# KiCad board smps_legged_robot.kicad_pcb
title: ${BOARD_NAME} Assembly; date: Last Modified Date; rev: ${REVISION}; company: ${COMPANY}
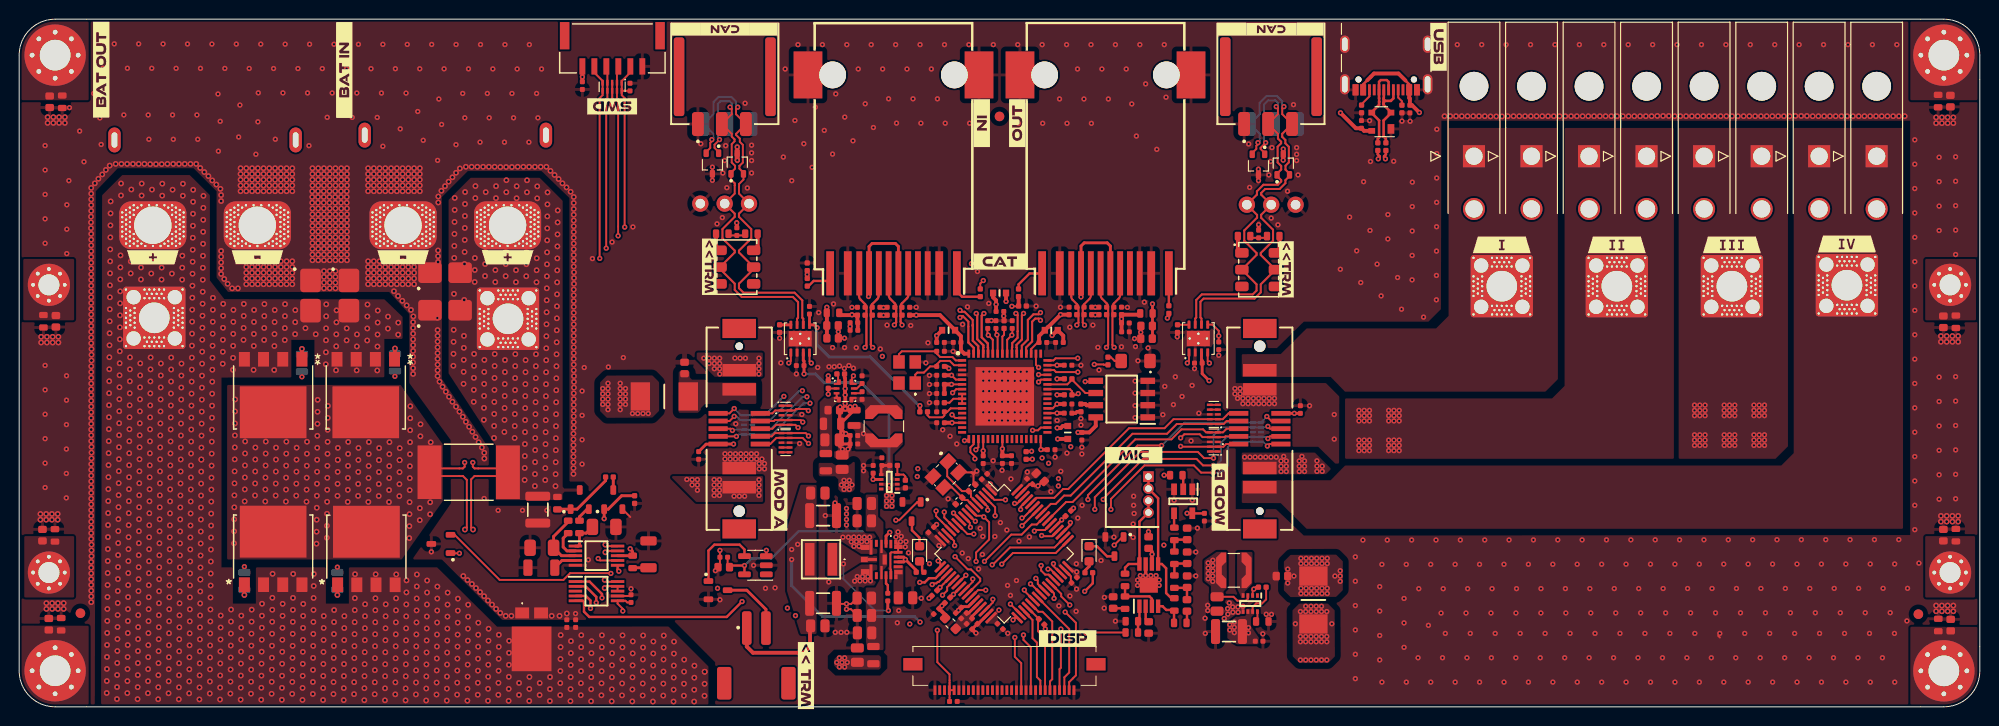
[diagram p0: board, top side]
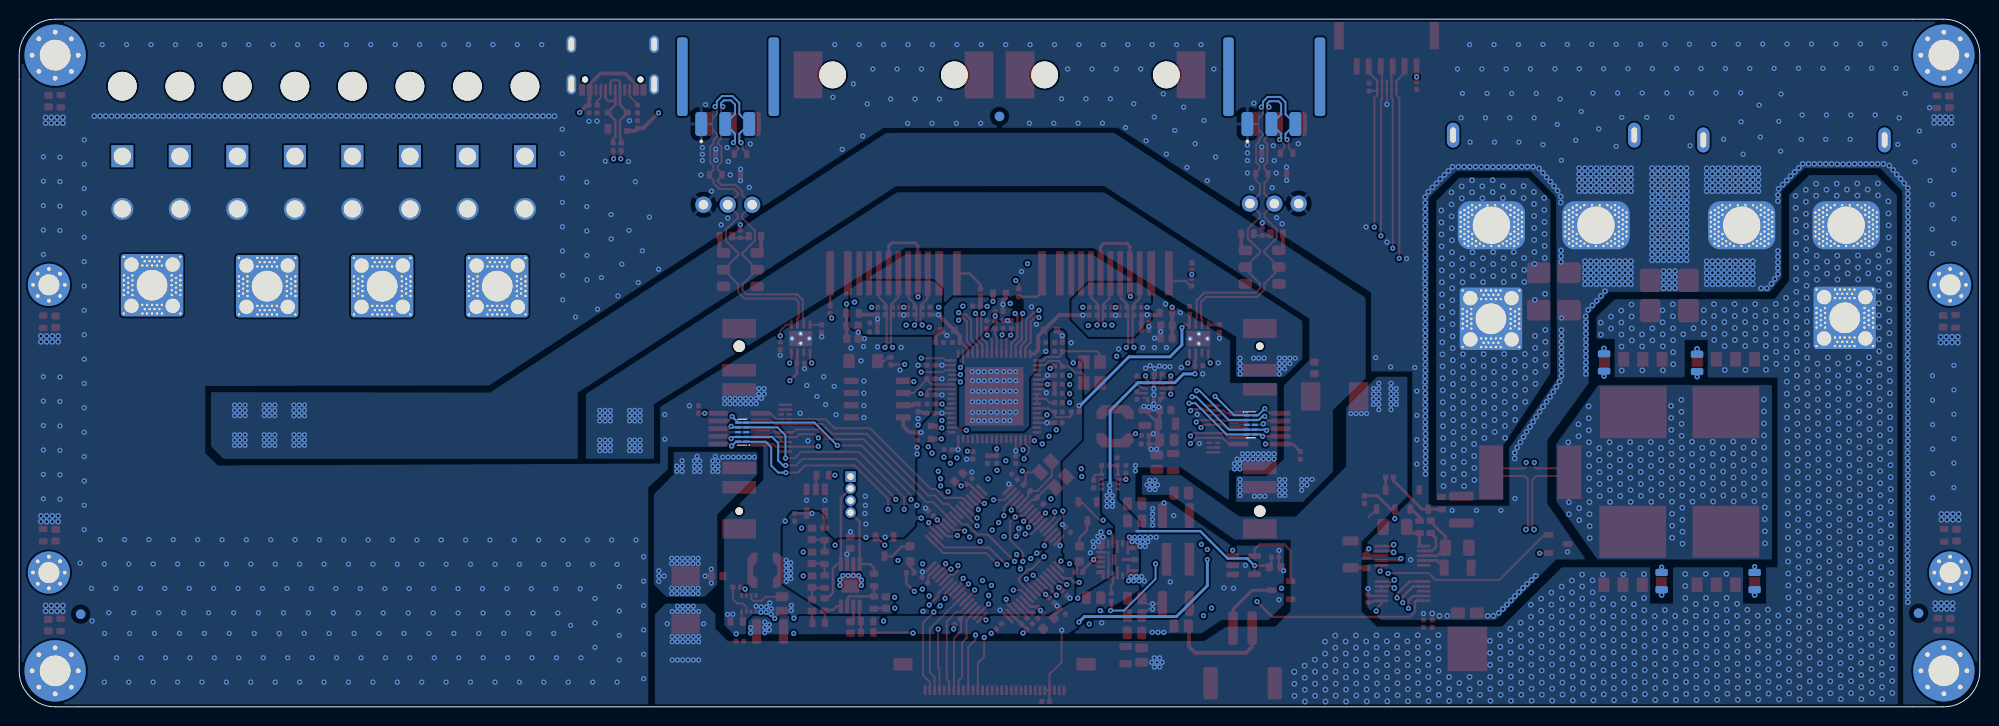
[diagram p1: board, bottom side, seen from below]

Outline 204.5 x 71.7 mm; copper layers: L1 (Sig, PWR), L2 (GND), L3 (Sig, PWR), L4 (Sig, PWR), L5 (GND), L6 (Sig, PWR). Coordinates in mm from the lower left corner of the outline.
Outline path: 0,67.95 0,3.75 arc(1.1,1.1) 3.75,0 200.75,0 arc(203.4,1.1) 204.5,3.75 204.5,65.4 204.5,67.95 arc(203.4,70.6) 200.75,71.7 3.75,71.7 arc(1.1,70.6) 0,67.95
Stack: L1 (Sig, PWR) 0.07mm / dielectric 0.18mm FR4_7628 er 4.29 / L2 (GND) 0.035mm / dielectric 0.4mm FR4 er 4.6 / L3 (Sig, PWR) 0.035mm / dielectric 0.18mm FR4_7628 er 4.29 / L4 (Sig, PWR) 0.035mm / dielectric 0.4mm FR4 er 4.6 / L5 (GND) 0.035mm / dielectric 0.18mm FR4_7628 er 4.29 / L6 (Sig, PWR) 0.07mm

## Placement (name value [footprint] x y rotation side)
C401  12p NP0 25V  [C_0402_1005Metric]  99.38 22.83 45 top
C402  12p NP0 25V  [C_0402_1005Metric]  98.02 21.47 225 top
C403  100n X7R 50V  [C_0402_1005_DensityHigh]  140 60.73 90 top
C404  100n X7R 50V  [C_0402_1005_DensityHigh]  58.74 64.77 270 top
C405  100n X7R 50V  [C_0402_1005_DensityHigh]  63.71 64.62 90 top
C406  1u X7R 10V  [C_0402_1005_DensityHigh]  102.31 8.39 315 top
C407  100n X7R 50V  [C_0402_1005_DensityHigh]  110.04 13.21 225 top
C408  100n X7R 50V  [C_0402_1005_DensityHigh]  95.12 18.46 45 top
C409  100n X7R 50V  [C_0402_1005_DensityHigh]  100.69 24.01 45 top
C410  100n X7R 50V  [C_0402_1005_DensityHigh]  105.4 23.5 315 top
C411  4u7 X7R 16V  [C_0603_1608_DensityHigh]  106.49 23.93 315 top
C412  1u X7R 10V  [C_0402_1005_DensityHigh]  95.67 9.95 225 top
C413  1u X7R 10V  [C_0402_1005_DensityHigh]  97.97 9.5 135 top
C414  100n X7R 50V  [C_0402_1005_DensityHigh]  98.53 10.06 135 top
C415  1u X7R 10V  [C_0402_1005_DensityHigh]  99.1 8.37 315 top
C416  100n X7R 50V  [C_0402_1005_DensityHigh]  99.66 8.94 315 top
C417  100n X7R 50V  [C_0402_1005_DensityHigh]  145.05 62.33 270 top
C801  2u2 X7R 100V  [C_0805_2012_DensityHigh]  88.16 9.53 180 top
C802  100n X7R 100V  [C_0805_2012_DensityHigh]  88.15 11.34 180 top
C803  10u X7R 25V  [C_1210_3225_DensityHigh]  83.85 19.94 180 top
C804  2.2u X7R 25V  [C_0805_2012_DensityHigh]  83.3 8.44 180 top
C805  2.2u X7R 25V  [C_0805_2012_DensityHigh]  83.3 22.29 180 top
C806  4.7uF X7R 25V  [C_1210_3225_DensityHigh]  126.19 7.85 0 top
C807  22u X7R 10V  [C_0805_2012_DensityHigh]  124.94 10.72 270 top
C808  100n X7R 50V  [C_0402_1005_DensityHigh]  89.07 24.77 90 top
C809  100n X7R 50V  [C_0402_1005_DensityHigh]  89.98 25.56 90 top
C810  2u2 X7R 100V  [C_0805_2012_DensityHigh]  85.84 25.51 90 top
C811  2u2 X7R 100V  [C_0805_2012_DensityHigh]  84.79 27.83 0 top
C812  2u2 X7R 100V  [R_0805_2012_DensityHigh]  84.79 29.51 0 top
C813  100n X7R 100V  [C_0603_1608_DensityHigh]  84.97 30.94 0 top
C814  1u X7R 10V  [C_0402_1005_DensityHigh]  87.92 34.11 90 top
C815  100n X7R 50V  [C_0402_1005_DensityHigh]  87.92 32.46 90 top
C816  100n X7R 50V  [C_0402_1005_DensityHigh]  87.06 28.28 180 top
C817  22u X7R 10V  [C_0805_2012_DensityHighest]  87.09 30.14 90 top
C818  1u X7R 10V  [C_0402_1005_DensityHigh]  87.06 27.41 180 top
C820  1u X7R 10V  [C_0402_1005_DensityHigh]  129.33 6.84 0 top
C901  100n X7R 50V  [C_0402_1005_DensityHigh]  133.63 31 90 top
C1001  100n X7R 50V  [C_0402_1005_DensityHigh]  70.87 26.21 270 top
C1101  100n X7R 50V  [C_0402_1005_DensityHigh]  82.43 41.35 90 top
C1102  100n X7R 50V  [C_0402_1005_DensityHigh]  125.12 37.64 270 top
C1103  1u X7R 100V  [C_0402_1005_DensityHigh]  57.12 8.68 90 top
C1104  100n X7R 50V  [C_0402_1005_DensityHigh]  81.46 35.58 180 top
C1105  100n X7R 50V  [C_0402_1005_DensityHigh]  122.99 35.84 180 top
C1109  100n X7R 50V  [C_0402_1005_DensityHigh]  109.4 35.62 0 top
C1110  100n X7R 50V  [C_0402_1005_DensityHigh]  96.1 34.57 180 top
C1111  1u X7R 50V  [C_0402_1005_DensityHigh]  96.1 32.67 180 top
C1112  100n X7R 50V  [C_0402_1005_DensityHigh]  101.03 39.86 270 top
C1113  100n X7R 50V  [C_0402_1005_DensityHigh]  96.1 30.76 180 top
C1114  220p X7R 50V  [C_0402_1005_DensityHigh]  96.1 33.62 180 top
C1115  100n X7R 50V  [C_0402_1005_DensityHigh]  103.58 39.86 270 top
C1116  100n X7R 50V  [C_0402_1005_DensityHigh]  96.1 29.62 180 top
C1117  100n X7R 50V  [C_0402_1005_DensityHigh]  102.3 41.22 0 top
C1118  100n X7R 50V  [C_0402_1005_DensityHigh]  108.5 37.99 180 top
C1119  100n X7R 50V  [C_0402_1005_DensityHigh]  96.1 37.99 0 top
C1120  100n X7R 50V  [C_0402_1005_DensityHigh]  109.4 31.57 0 top
C1121  100n X7R 50V  [C_0402_1005_DensityHigh]  109.4 30.62 0 top
C1122  100n X7R 50V  [C_0402_1005_DensityHigh]  103.5 25.78 270 top
C1123  100n X7R 50V  [C_0402_1005_DensityHigh]  107.64 26.81 0 top
C1124  100n X7R 50V  [C_0402_1005_DensityHigh]  102.55 25.78 270 top
C1125  100n X7R 50V  [C_0402_1005_DensityHigh]  101.88 39.86 90 top
C1126  100n X7R 50V  [C_0402_1005_DensityHigh]  106.78 37.99 0 top
C1127  100n X7R 50V  [C_0402_1005_DensityHigh]  97.83 38 180 top
C1128  100n X7R 50V  [C_0402_1005_DensityHigh]  100.55 25.77 270 top
C1129  15p X7R 50V  [C_0402_1005_DensityHigh]  109.91 41.67 180 top
C1130  15p X7R 50V  [C_0402_1005_DensityHigh]  87.83 41.66 180 top
C1131  15p X7R 50V  [C_0402_1005_DensityHigh]  111.47 41.67 0 top
C1132  15p X7R 50V  [C_0402_1005_DensityHigh]  89.38 41.66 0 top
C1133  18p NP0 50V  [C_0402_1005_DensityHigh]  96.1 35.5 0 top
C1134  15p X7R 50V  [C_0402_1005_DensityHigh]  113.02 41.67 180 top
C1135  15p X7R 50V  [C_0402_1005_DensityHigh]  90.93 41.66 180 top
C1136  18p NP0 50V  [C_0402_1005_DensityHigh]  96.1 37.07 0 top
C1137  15p X7R 50V  [C_0402_1005_DensityHigh]  114.58 41.67 0 top
C1138  15p X7R 50V  [C_0402_1005_DensityHigh]  92.48 41.66 0 top
C1139  100n X7R 50V  [C_0402_1005_DensityHigh]  87.07 40.05 180 top
C1140  100n X7R 50V  [C_0402_1005_DensityHigh]  115.38 40.02 0 top
C1141  22n X7R 50V  [C_0603_1608_DensityHigh]  117.59 38.39 180 top
C1142  22n X7R 50V  [C_0603_1608_DensityHigh]  84.84 38.43 0 top
C1143  22n X7R 50V  [C_0603_1608_DensityHigh]  117.59 39.71 180 top
C1144  22n X7R 50V  [C_0603_1608_DensityHigh]  84.84 39.76 0 top
C1145  100n X7R 50V  [C_0402_1005_DensityHigh]  87.07 39.26 180 top
C1146  100n X7R 50V  [C_0402_1005_DensityHigh]  115.39 39.1 0 top
C1147  100n X7R 50V  [C_0402_1005_DensityHigh]  110.84 28.21 270 top
C1149  4n7 X7R 100V  [C_0402_1005_DensityHigh]  129.28 49.3 90 top
C1150  4n7 X7R 100V  [C_0402_1005_DensityHigh]  74.85 49.55 90 top
C1201  2u2 X7R 100V  [C_0805_2012_DensityHigh]  87.42 5.39 90 top
C1202  2u2 X7R 100V  [C_0805_2012_DensityHigh]  88.18 7.71 180 top
C1203  2u2 X7R 100V  [C_0805_2012_DensityHigh]  88.15 21.2 180 top
C1204  100n X7R 100V  [C_0805_2012_DensityHigh]  88.15 19.39 180 top
C1205  2.2u X7R 25V  [C_0805_2012_DensityHigh]  92.45 11.36 0 top
C1206  100n X7R 50V  [C_0402_1005_DensityHigh]  90.6 11.44 270 top
C1207  10u X7R 25V  [C_1210_3225_DensityHigh]  83.85 10.79 180 top
C1302  100n X7R 100V  [C_0603_1608_DensityHigh]  131.71 13.63 180 top
C1401  100n X7R 100V  [C_0603_1608_DensityHigh]  69.4 35.33 90 top
C1501  10uF X7R 100V  [C_1210_3225_DensityHigh]  54.09 20.56 270 top
C1502  2nF X7R 50V  [C_1206_3216_DensityHigh]  54.46 14.51 180 top
C1503  110n X7R 100V  [C_1206_3216_DensityHigh]  65.64 15.9 90 top
C1504  1u X7R 100V  [C_0402_1005_DensityHigh]  58.04 8.68 90 top
C1701  100n X7R 50V  [C_0402_1005_DensityHigh]  123.62 19.77 270 top
C1702  4.7n X7R 50V  [C_0603_1608_DensityHigh]  121.82 18.03 90 top
C1703  4.7n X7R 50V  [C_0603_1608_DensityHigh]  121.82 15.54 90 top
C1704  4.7n X7R 50V  [C_0603_1608_DensityHigh]  121.82 13.05 90 top
C1705  470n X5R 16V  [C_0603_1608_DensityHigh]  114.11 10.88 90 top
C1706  470n X5R 16V  [C_0603_1608_DensityHigh]  121.81 10.58 270 top
C1707  220n X7R 10V  [C_0603_1608_DensityHigh]  117.81 8.28 270 top
C1708  1u X7R 16V  [C_0603_1608_DensityHigh]  117.81 17.12 90 top
C1709  100n X7R 50V  [C_0402_1005_DensityHigh]  97.44 0.56 0 top
C1801  100n X7R 50V  [C_0402_1005_DensityHigh]  73.49 15.6 180 top
C1802  4.7u X7R 16V  [C_0603_1608_DensityHigh]  73.49 14.56 180 top
C2001  100n X7R 50V  [C_0402_1005_DensityHigh]  63.82 11.28 90 top
C2102  1n X7R 1kV  [C_0603_1608_DensityHigh]  200.7 40.15 270 top
C2103  1n X7R 1kV  [C_0603_1608_DensityHigh]  2.43 17.9 90 top
C2104  1n X7R 1kV  [C_0603_1608_DensityHigh]  200.7 17.9 90 top
C2105  1n X7R 1kV  [C_0603_1608_DensityHigh]  3.83 40.2 270 top
C2201  1n X7R 1kV  [C_0603_1608_DensityHigh]  3.18 63.09 270 top
C2202  1n X7R 1kV  [C_0603_1608_DensityHigh]  3.09 8.61 90 top
C2203  1n X7R 1kV  [C_0603_1608_DensityHigh]  201.46 8.52 90 top
C2204  1n X7R 1kV  [C_0603_1608_DensityHigh]  201.43 63.16 270 top
D401  PRTR5V0U2X  [SOT-143]  142.08 61.01 180 top
D402  PESD4USB3U-TBSX  [SOT1176D]  61.85 64.65 270 top
D501  SMBJ51CD-M3/H  [DIOM4336X24N]  44.42 41.35 0 top
D502  SMBJ51CD-M3/H  [DIOM4336X24N]  44.42 45.27 0 top
D503  SMBJ51CD-M3/H  [DIOM4336X24N]  34.39 42.89 270 top
D504  SMBJ51CD-M3/H  [DIOM4336X24N]  30.39 42.89 270 top
D801  GREEN  [LED_0603_1608Metric]  93.92 15.96 270 top
D802  GREEN  [LED_0603_1608Metric]  111.59 15.96 270 top
D901  PESD4USB3U-TBSX  [SOT1176D]  124.61 30.49 180 top
D902  PESD4USB3U-TBSX  [SOT1176D]  129.09 28.64 0 bottom
D903  PESD4USB3U-TBSX  [SOT1176D]  124.61 27.62 180 top
D1001  PESD4USB3U-TBSX  [SOT1176D]  79.94 27.54 0 top
D1002  PESD4USB3U-TBSX  [SOT1176D]  76.04 29.4 180 bottom
D1003  PESD4USB3U-TBSX  [SOT1176D]  79.94 30.4 0 top
D1101  FSV10150V  [FES10D]  53.45 7.04 90 top
D1102  PESD2CANFD24V-UX  [SOT95P230X117-3N]  131.85 56.54 90 top
D1103  PESD2CANFD24V-UX  [SOT95P230X117-3N]  129.26 56.54 270 top
D1104  PESD2CANFD24V-UX  [SOT95P230X117-3N]  72.3 56.65 270 top
D1105  PESD2CANFD24V-UX  [SOT95P230X117-3N]  74.89 56.65 90 top
D1107  ORANGE  [LED_SM1206]  116.45 36.06 180 top
F1301  0451015.MRL  [FUSC6127X294N]  134.99 11.14 90 top
F1401  0451015.MRL  [FUSC6127X294N]  67.29 32.36 0 top
FB401  100R@100MHz  [L_0603_1608Metric]  97.14 8.69 135 top
FB801  1k @ 100MHz  [R_0805_2012_DensityHigh]  84.14 25.51 90 top
FB1101  BLM18PG330SN1D  [BLM18SP221SN1B]  102.25 43.15 0 top
FB1102  BLM18PG330SN1D  [BLM18SP221SN1B]  107.65 39.27 180 top
FB1103  BLM18PG330SN1D  [BLM18SP221SN1B]  96.94 39.27 0 top
FB1104  BLM18PG330SN1D  [BLM18SP221SN1B]  109.38 28.61 90 top
FB1201  1k @ 100MHz  [R_0805_2012_DensityHigh]  89.1 5.39 90 top
FM2201  Fiducial  [Fiducial_1mm_Mask2mm]  6.39 9.76 180 bottom
FM2202  Fiducial  [Fiducial_1mm_Mask2mm]  6.39 9.76 0 top
FM2203  Fiducial  [Fiducial_1mm_Mask2mm]  198.09 9.66 180 bottom
FM2204  Fiducial  [Fiducial_1mm_Mask2mm]  102.25 61.56 0 top
FM2205  Fiducial  [Fiducial_1mm_Mask2mm]  102.25 61.56 180 bottom
FM2206  Fiducial  [Fiducial_1mm_Mask2mm]  198.09 9.66 0 top
H2101  M2 (3.2mm)  [MountingHole_2.2mm_M2_Pad_Via]  201.4 44 0 top
H2102  M2 (3.2mm)  [MountingHole_2.2mm_M2_Pad_Via]  201.4 14 0 top
H2103  M2 (3.2mm)  [MountingHole_2.2mm_M2_Pad_Via]  3.1 44 0 top
H2104  M2 (3.2mm)  [MountingHole_2.2mm_M2_Pad_Via]  3.1 14 0 top
H2201  M3 (3.2mm)  [MountingHole_3.2mm_M3_Pad_Via]  3.75 67.95 0 top
H2202  M3 (3.2mm)  [MountingHole_3.2mm_M3_Pad_Via]  3.75 3.76 0 top
H2203  M3 (3.2mm)  [MountingHole_3.2mm_M3_Pad_Via]  200.75 3.75 0 top
H2204  M3 (3.2mm)  [MountingHole_3.2mm_M3_Pad_Via]  200.75 67.95 0 top
IC801  TPS629206QDRLRQ1  [SOTFL50P160X60-8N]  128.4 10.77 270 top
IC1101  LAN9252_ML  [QFN50P900X900X100-65N-D]  102.8 32.37 0 top
IC1102  M24C16-RMN6P  [SOIC127P600X175-8N]  115 32.08 180 top
IC1201  MAX25262AFOF_VY+  [MAX25262AFOFVY]  89.97 15.36 270 top
IC1501  TPS2490DGSRG4  [SOP50P490X110-10N]  60.21 15.76 0 top
IC1701  TPA6205A1DGN  [SOP65P490X110-9N]  117.82 12.69 90 top
IC2001  INA239AQDGSRQ1  [SOP50P490X110-10N]  60.21 12.06 0 top
J301  Rail 1  [Pad_Square_Vias_6.5x6.5mm]  190.64 43.96 0 top
J302  Rail 2  [Pad_Square_Vias_6.5x6.5mm]  154.64 43.86 0 top
J303  Rail 3  [Pad_Square_Vias_6.5x6.5mm]  166.64 43.86 0 top
J304  Rail 4  [Pad_Square_Vias_6.5x6.5mm]  178.64 43.86 0 top
J305  Vin  [Pad_Square_Vias_6.5x6.5mm]  14.09 40.56 0 top
J306  VBAT  [Pad_Square_Vias_6.5x6.5mm]  50.99 40.46 0 top
J402  Conn_Picoblade_JST_DEBUG  [CONN_SM06B-GHS-TB_JST]  61.87 68.65 180 top
J403  USB4105-GF-A  [USB_C_Receptacle_GCT_USB4105-xx-A_16P_TopMnt_Horizontal]  142.59 68.02 180 top
J501  XT90PW-M  [AMASS_XT90PW-M]  45.49 59.61 180 top
J502  XT90PW-F  [AMASS_XT90PW-F]  19.39 59.11 180 top
J1102  Nano-Fit 1x03  [1054301203]  73.59 65.46 0 bottom
J1103  Nano-Fit 1x03  [1054301203]  73.59 65.45 180 top
J1104  Nano-Fit 1x03  [1054301203]  130.56 65.46 180 top
J1105  Nano-Fit 1x03  [1054301203]  130.56 65.46 0 bottom
J1107  RJ45_Wuerth_74980111211  [RJ45_Wuerth_74980111211_Horizontal]  113.31 58.47 90 top
J1108  RJ45_Wuerth_74980111211  [RJ45_Wuerth_74980111211_Horizontal]  91.2 58.47 90 top
J1109  PTH 01x03 2.54mm  [PTH_1x03_P2.54mm]  71.05 52.47 90 top
J1110  PTH 01x03 2.54mm  [PTH_1x03_P2.54mm]  133.13 52.36 270 top
J1301  10159558-410421RLF  [10159558410421RLF]  129.4 29 90 top
J1701  53048-0450  [SHDRRA4W35P0X125_1X4_675X550X350P]  117.78 24 90 top
J1702  505110-3091  [5051103091]  102.77 3.76 180 top
J1801  S2B-PH-SM4-TB  [JST_PH_S2B-PH-SM4-TB_1x02-1MP_P2.00mm_Horizontal]  76.89 5.36 0 top
J2501  10159558-410421RLF  [10159558410421RLF]  75.1 29 270 top
kibuzzard-657DB620  G***  [kibuzzard-657DB620]  130.59 70.66 180 top
kibuzzard-6644C0FD  G***  [kibuzzard-6644C0FD]  154.64 48.16 0 top
kibuzzard-6644C10C  G***  [kibuzzard-6644C10C]  178.64 48.16 0 top
kibuzzard-6644C54D  G***  [kibuzzard-6644C54D]  73.62 70.66 180 top
kibuzzard-6644C105  G***  [kibuzzard-6644C105]  166.64 48.16 0 top
kibuzzard-6644C114  G***  [kibuzzard-6644C114]  190.64 48.26 0 top
kibuzzard-664853A2  G***  [kibuzzard-664853A2]  102.28 46.44 0 top
kibuzzard-664855AD  G***  [kibuzzard-664855AD]  50.95 46.88 180 top
kibuzzard-664855AD#2  G***  [kibuzzard-664855AD]  13.95 46.88 180 top
kibuzzard-664855FB  G***  [kibuzzard-664855FB]  24.85 46.88 180 top
kibuzzard-664855FB#2  G***  [kibuzzard-664855FB]  40.05 46.88 180 top
kibuzzard-664857A9  G***  [kibuzzard-664857A9]  116.25 26.24 0 top
kibuzzard-664857E0  G***  [kibuzzard-664857E0]  125.23 21.86 90 top
kibuzzard-664857F1  G***  [kibuzzard-664857F1]  79.28 21.55 270 top
kibuzzard-664858D5  G***  [kibuzzard-664858D5]  148.06 68.83 270 top
kibuzzard-6648591A  G***  [kibuzzard-6648591A]  61.85 62.6 180 top
kibuzzard-66485539  G***  [kibuzzard-66485539]  104.09 60.86 90 top
kibuzzard-66485540  G***  [kibuzzard-66485540]  100.41 60.86 270 top
kibuzzard-66485750  G***  [kibuzzard-66485750]  33.91 66.4 90 top
kibuzzard-66485757  G***  [kibuzzard-66485757]  8.55 66.44 90 top
kibuzzard-66485795  G***  [kibuzzard-66485795]  109.36 7.14 0 top
kibuzzard-66485864  G***  [kibuzzard-66485864]  82.06 3.25 270 top
kibuzzard-66485896  G***  [kibuzzard-66485896]  132.19 45.61 270 top
kibuzzard-66485896#2  G***  [kibuzzard-66485896]  71.98 45.88 270 top
L801  6u8  [XEL4030682MEC]  83.64 15.38 180 top
L802  2u2  [L_Coilcraft_LPS3314]  126.69 14.23 180 top
L803  22u  [L_Coilcraft_LPS4018]  90.19 29.26 270 top
Molex_601  ~  [172448-YY02]  193.74 57.41 180 top
Molex_602  ~  [172448-YY02]  187.74 57.41 180 top
Molex_603  ~  [172448-YY02]  157.74 57.41 180 top
Molex_604  ~  [172448-YY02]  151.74 57.41 180 top
Molex_605  ~  [172448-YY02]  169.74 57.41 180 top
Molex_606  ~  [172448-YY02]  163.74 57.41 180 top
Molex_607  ~  [172448-YY02]  181.75 57.41 180 top
Molex_608  ~  [172448-YY02]  175.74 57.41 180 top
NT1101  NetTieShuntH  [NetTie-2_SMD_Pad0.2mm]  47.69 24.86 0 top
NT1103  NetTieShuntL  [NetTie-2_SMD_Pad0.2mm]  46.09 24.86 0 top
NT1601  NetTieShuntH  [NetTie-2_SMD_Pad0.2mm]  47.69 24.06 0 top
NT1602  NetTieShuntL  [NetTie-2_SMD_Pad0.2mm]  46.09 24.06 180 top
Q801  PMV90ENER  [SOT-23-3]  93.08 20.36 270 top
Q802  PMV90ENER  [SOT-23-3]  114.24 16.71 270 top
Q1101  SOT233 ZXMP10A13F  [SOT-23-3]  58.46 21.61 90 top
Q1102  SOT233 BSS123N  [SOT-23-3]  61.96 21.61 90 top
Q1201  SQJQ186E-T1_GE3  [POWERPAK8X8L_VIS]  26.49 32.26 180 top
Q1202  SQJQ186E-T1_GE3  [POWERPAK8X8L_VIS]  36.15 32.26 180 top
Q1203  SQJQ186E-T1_GE3  [POWERPAK8X8L_VIS]  36.21 16.7 0 top
Q1204  SQJQ186E-T1_GE3  [POWERPAK8X8L_VIS]  26.49 16.71 0 top
Q1401  PMV90ENER  [SOT-23-3]  72.89 12.16 0 top
R401  33k 1% 1/16W  [R_0402_1005_DensityHigh]  96.82 11.11 225 top
R402  5.1k 1% 1/16W  [R_0402_1005_DensityHigh]  144.22 62.33 90 top
R403  5.1k 1% 1/16W  [R_0402_1005_DensityHigh]  140.01 62.34 270 top
R404  10k 1% 1/16W  [R_0402_1005_DensityHigh]  109.42 20.17 45 top
R405  10k 1% 1/16W  [R_0402_1005_DensityHigh]  95.47 11.86 225 top
R406  10k 1% 1/16W  [R_0402_1005_DensityHigh]  106.64 8.86 315 top
R407  27R 1% 1/5W  [R_0402_1005_DensityHigh]  142.55 58.41 270 top
R408  27R 1% 1/5W  [R_0402_1005_DensityHigh]  141.71 58.41 270 top
R801  34k 1% 1/4W  [R_0603_1608_DensityHigh]  129.66 8.9 0 top
R802  0R  [R_0402_1005_DensityHigh]  85.69 34.71 0 top
R803  10k 1%  [R_0402_1005_DensityHigh]  84.39 33.61 90 top
R804  10.7k  [R_0402_1005_DensityHigh]  92.43 23.23 270 top
R805  37k  [R_0402_1005_DensityHigh]  91.2 25.17 0 top
R806  10k 1%  [R_0402_1005_DensityHigh]  129.66 12.47 0 top
R807  470R 1% 1/8W  [R_0402_1005_DensityHigh]  93.97 14.03 0 top
R808  470R 1% 1/8W  [R_0402_1005_DensityHigh]  111.56 13.98 180 top
R1101  10k 1% 1/16W  [R_0402_1005_DensityHigh]  79.31 39.44 270 top
R1102  10k 1% 1/16W  [R_0402_1005_DensityHigh]  120.81 39.44 270 top
R1103  47k 1% 1/10W  [R_0603_1608_DensityHigh]  56.14 21.23 90 top
R1104  100k 1% 1/8W  [R_0402_1005_DensityHigh]  61.57 23.96 180 top
R1105  100k 1% 1/8W  [R_0402_1005_DensityHigh]  64.19 21.61 90 top
R1107  60R4 1% 1/4W  [R_0603_1608_DensityHigh]  127.76 49.08 0 top
R1108  60R4 1% 1/4W  [R_0603_1608_DensityHigh]  130.8 49.08 0 top
R1113  4.75k 0.1% 1/16W  [R_0402_1005_DensityHigh]  94.34 30.76 180 top
R1114  4.75k 0.1% 1/16W  [R_0402_1005_DensityHigh]  105.03 26.21 270 top
R1115  4.75k 0.1% 1/16W  [R_0402_1005_DensityHigh]  96.1 31.71 0 top
R1116  12k1 1%, 1/16W  [R_0402_1005_DensityHigh]  102.73 39.86 270 top
R1117  49.9R 0.1% 1/16W  [R_0402_1005_DensityHigh]  109.91 40.89 0 top
R1118  49.9R 0.1% 1/16W  [R_0402_1005_DensityHigh]  87.83 40.84 0 top
R1119  49.9R 0.1% 1/16W  [R_0402_1005_DensityHigh]  111.47 40.89 180 top
R1120  49.9R 0.1% 1/16W  [R_0402_1005_DensityHigh]  89.38 40.84 180 top
R1121  49.9R 0.1% 1/16W  [R_0402_1005_DensityHigh]  113.02 40.89 0 top
R1122  49.9R 0.1% 1/16W  [R_0402_1005_DensityHigh]  90.93 40.84 0 top
R1123  49.9R 0.1% 1/16W  [R_0402_1005_DensityHigh]  114.58 40.89 180 top
R1124  49.9R 0.1% 1/16W  [R_0402_1005_DensityHigh]  92.48 40.84 180 top
R1125  470R 1% 1/16W  [R_0402_1005_DensityHigh]  113.56 36.06 270 top
R1126  10R 1% 1/8W  [R_0603_1608_DensityHigh]  117.58 41.02 0 top
R1127  10R 1% 1/8W  [R_0603_1608_DensityHigh]  84.89 41.08 180 top
R1128  4.75k 0.1% 1/16W  [R_0402_1005_DensityHigh]  109.41 34.2 180 top
R1129  4.75k 0.1% 1/16W  [R_0402_1005_DensityHigh]  109.41 32.53 180 top
R1130  4.75k 0.1% 1/16W  [R_0402_1005_DensityHigh]  110.74 31.17 90 top
R1131  470R 1% 1/16W  [R_0402_1005_DensityHigh]  119.92 41.42 270 top
R1132  470R 1% 1/16W  [R_0402_1005_DensityHigh]  104.24 43.17 270 top
R1133  470R 1% 1/16W  [R_0402_1005_DensityHigh]  100.25 43.17 90 top
R1134  470R 1% 1/16W  [R_0402_1005_DensityHigh]  82.2 44.27 90 top
R1135  4.75k 0.1% 1/16W  [R_0402_1005_DensityHigh]  104.65 41.79 180 top
R1136  4.75k 0.1% 1/16W  [R_0402_1005_DensityHigh]  82.2 45.88 270 top
R1138  60R4 1% 1/4W  [R_0603_1608_DensityHigh]  73.34 49.33 0 top
R1139  60R4 1% 1/4W  [R_0603_1608_DensityHigh]  76.38 49.33 0 top
R1501  212k 1% 1/10W  [R_0603_1608_DensityHigh]  58.44 18.76 90 top
R1502  10k 1% 1/4W  [R_1206_3216_DensityHigh_Large]  61.02 18.76 180 top
R1503  45k 1% 1/10W  [R_0603_1608_DensityHigh]  57.27 18.76 270 top
R1504  7,5k 1% 1/4W  [R_1206_3216_DensityHigh_Large]  54.52 16.58 0 top
R1505  0.3m  [RES_WSLP3921_.003OHM_VIS]  46.89 24.46 180 top
R1507  1k 1% 1/10W  [R_0603_1608_DensityHigh]  63.99 15.11 270 top
R1601  10R 1% 1/8W  [R_0805_2012_DensityHigh]  29.49 35.86 270 bottom
R1602  10R 1% 1/8W  [R_0805_2012_DensityHigh]  23.49 13.11 270 bottom
R1603  10R 1% 1/8W  [R_0805_2012_DensityHigh]  39.19 35.91 270 bottom
R1604  10R 1% 1/8W  [R_0805_2012_DensityHigh]  33.19 13.11 270 bottom
R1701  33 1% 1/10W  [R_0603_1608_DensityHigh]  120.69 24.15 0 top
R1702  33 1% 1/10W  [R_0603_1608_DensityHigh]  116.05 7.75 0 top
R1703  1k 1% 1/10W  [R_0603_1608_DensityHigh]  120.49 18.03 270 top
R1704  1k 1% 1/10W  [R_0603_1608_DensityHigh]  120.49 15.54 270 top
R1705  47k 1% 1/10W  [R_0603_1608_DensityHigh]  116.06 8.92 0 top
R1706  1k 1% 1/10W  [R_0603_1608_DensityHigh]  120.49 13.05 270 top
R1707  10k 1% 1/10W  [R_0603_1608_DensityHigh]  115.34 10.86 90 top
R1708  10k 1% 1/10W  [R_0603_1608_DensityHigh]  121.11 8.75 180 top
R1709  20k 1% 1/10W  [R_0603_1608_DensityHigh]  120.48 10.67 90 top
R1710  20k 1% 1/10W  [R_0603_1608_DensityHigh]  115.34 13.23 90 top
R2102  0R  [R_0603_1608_DensityHigh]  202 40.15 270 top
R2103  0R  [R_0603_1608_DensityHigh]  3.73 17.88 90 top
R2104  0R  [R_0603_1608_DensityHigh]  202 17.9 90 top
R2105  0R  [R_0603_1608_DensityHigh]  2.53 40.2 270 top
R2201  0R  [R_0603_1608_DensityHigh]  4.49 63.09 270 top
R2202  0R  [R_0603_1608_DensityHigh]  4.38 8.61 90 top
R2203  0R  [R_0603_1608_DensityHigh]  200.17 8.53 90 top
R2204  0R  [R_0603_1608_DensityHigh]  200.15 63.16 270 top
SW1101  CAS-220TA  [CAS-220A_NDC-L]  129.28 45.58 0 top
SW1103  CAS-220TA  [CAS-220A_NDC-L]  74.85 45.85 0 top
U401  STM32G483RET6  [LQFP-64_10x10mm_P0.5mm]  102.74 15.96 315 top
U801  TPS2116DRLR  [SOTFL50P160X60-8N]  90.75 23.46 180 top
U802  LMR36506MSC5RPERQ1  [LMR36503]  86.16 32.94 0 top
U1101  TCAN1051HGVDRBRQ1  [HVSON-8-1EP_3x3mm_P0.65mm_EP1.6x2.4mm_ThermalVias]  81.46 38.38 90 top
U1102  TCAN1051HGVDRBRQ1  [HVSON-8-1EP_3x3mm_P0.65mm_EP1.6x2.4mm_ThermalVias]  122.99 38.4 90 top
U1501  MCP9700BT-E/TT  [SOT-23-3]  43.99 16.98 180 top
U1701  74LVC1G125  [SOT95P280X145-5N]  121.41 21.43 270 top
U1801  DGD0216WT-7  [TSOT-23-5]  76.79 14.76 180 top
Y401  ABM8W-48.0000MHZ-4-D1X-T3  [ABM8W480000MHZ6D1XT3]  96.43 24.45 225 top
Y1101  7M-25.000MAAJ-T  [7M25000MAAJT]  92.62 34.86 90 top
